# Altium PCB DCDCv1.1.PcbDoc (part 2 of 5)
Units mm, origin at the board's own origin, x right, y up, seen from the top; angles counter-clockwise.
Board outline 127.68 x 67.28 mm, 4 copper layers (Top Layer, GND1, GND2, Bottom Layer), stack 0.604 mm thick; 389 components, 257 nets, 1185 pads, 626 vias.
Unrouted connection lines stored in the file: 1.
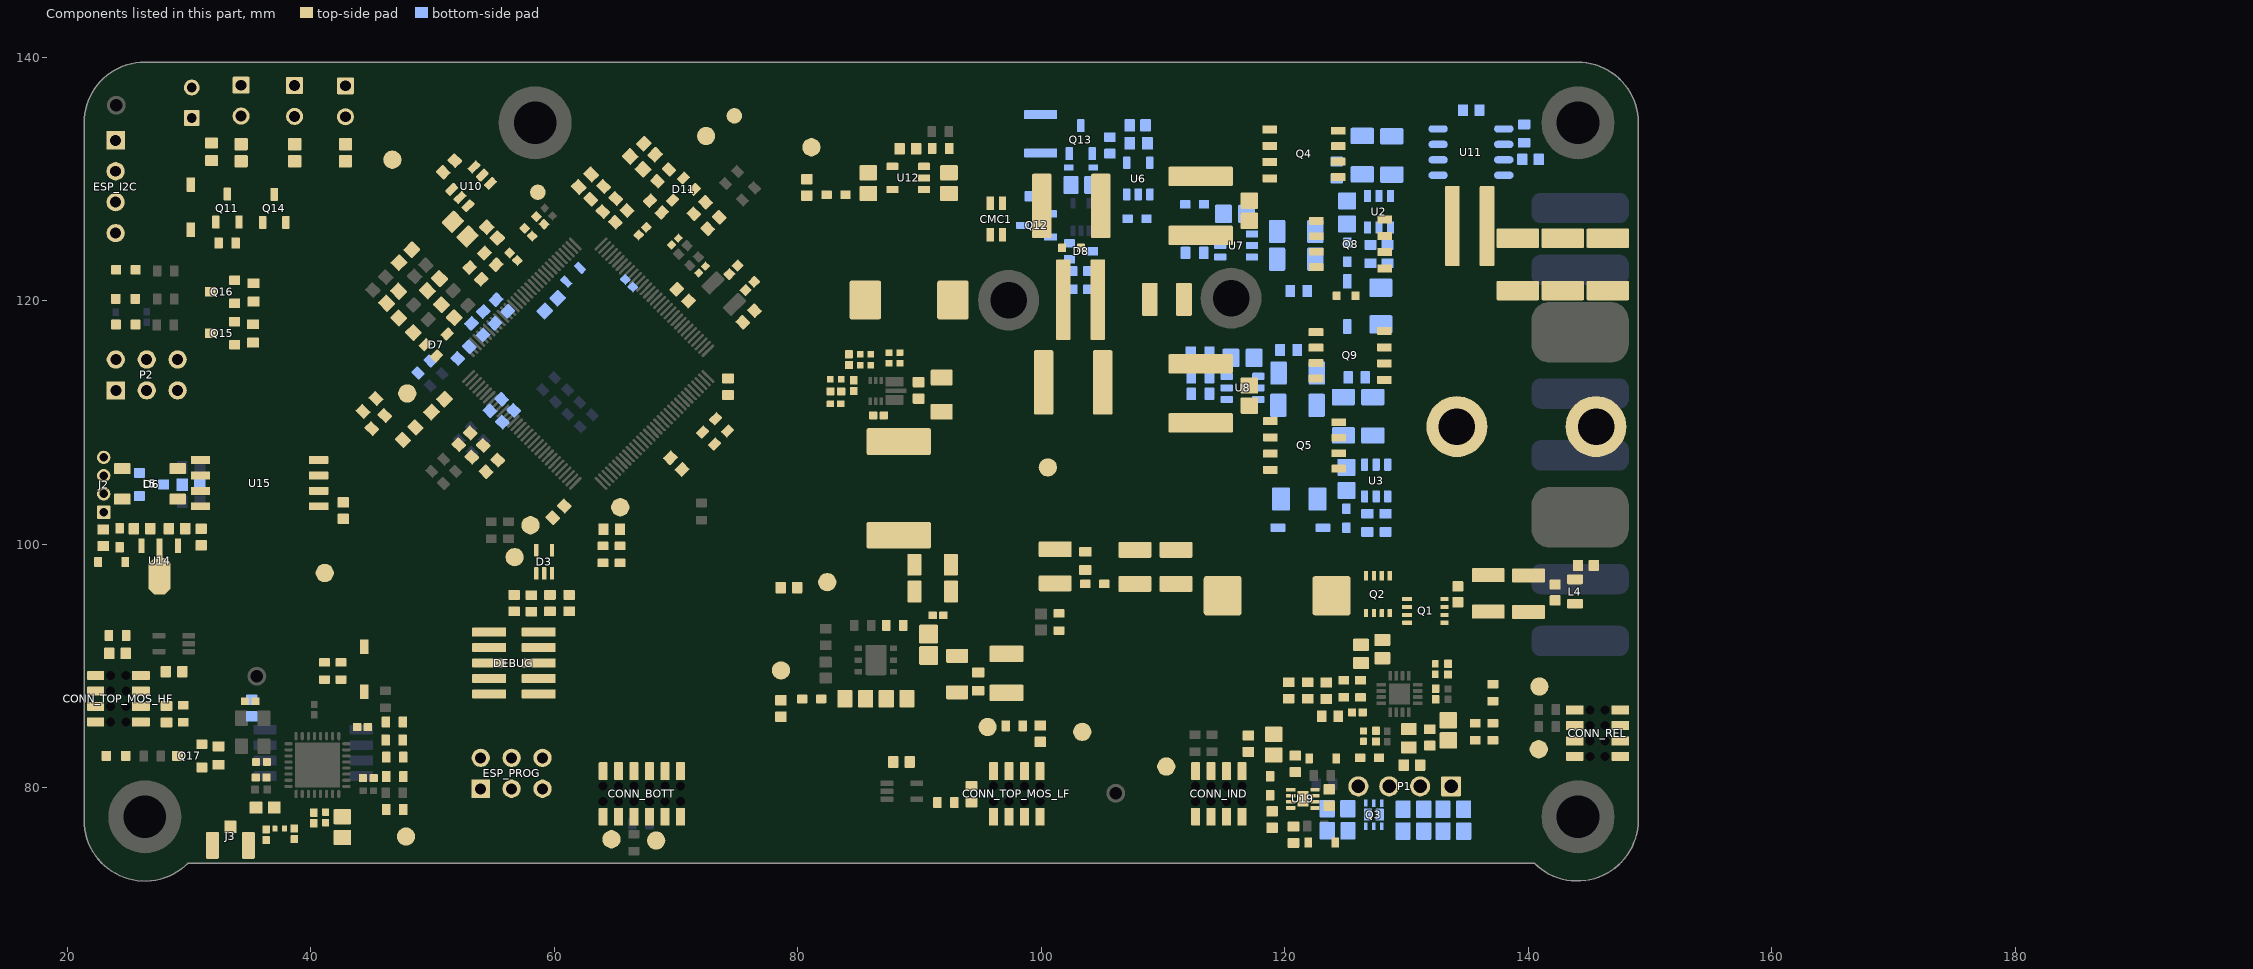
[diagram p4: the components of this part, seen from the top]

## Footprints (in the part's own frame and the unit in brackets; to place one, negate y for a bottom-side part, rotate by r counter-clockwise, add the part's x,y. Pads: shape width x height; smd on the part's side, far side on the other; paste and mask are expansions set on the pad) (continued)
RESC3216X70X40ML20T20 [mm] "Chip Resistor, 2-Leads, Body 3.20x1.60mm, IPC Low Density"
  rrect15% 1.35x1.9 smd: 1(-1.575,0) 2(1.575,0)
  silkscreen extent -0.5,-0.85 0.5,0.85, body extent -1.7,-0.9 1.7,0.9, height 0.7
RESC3264X06N [mm] "Chip Resistor, 2-Leads, Body 3.20x6.40mm, IPC Medium Density"
  rrect15% 1.2x6.6 smd: 1(-1.425,0) 2(1.425,0)
  silkscreen extent -0.5,-3.2 0.5,3.2, body extent -1.6,-3.2 1.6,3.2, height 0.6
SHDR4W50P0X150_1X4_750X350X450P [mm]
  rrect15% 1.1x1.1 hole 0.7: 1(0,0)
  round 1.1 hole 0.7: 2(1.5,0) 3(3,0) 4(4.5,0)
  silkscreen extent -1.5,-1.3 6,2.2, body extent -1.5,-1.75 6,1.75, height 4.5
SMD-0603 [mm] "Chip Inductor, 2-Leads, Body 1.6x0.8mm"
  rrect15% 0.85x0.7 smd: 1(-0.775,0) 2(0.775,0)
  body extent -0.8,-0.4 0.8,0.4, height 0.79
SMTC-FTSH-105-01-L-DV-K_V [mm] "CONN, 10-Leads, Body 6.35x3.43mm, Pitch 1.27mm"
  rrect15% 0.74x2.79 smd: 1(-2.54,-2.035) 2(-2.54,2.035) 3(-1.27,-2.035) 4(-1.27,2.035) 5(0,-2.035) 6(0,2.035) 7(1.27,-2.035) 8(1.27,2.035) 9(2.54,-2.035) 10(2.54,2.035)
  silkscreen extent -3.17,-4.1 3.17,0.34, body extent -3.17,-2.92 3.18,2.92, height 6.12
SOIC127P600X175-8AN [mm] "SOIC, 8-Leads, Body 4.9x3.9mm, Pitch 1.27mm, IPC Medium Density"
  round 1 on Mech15: 0(0,0)
  oval 1.6x0.6 smd: 1(-2.7,1.905) 2(-2.7,0.635) 3(-2.7,-0.635) 4(-2.7,-1.905) 5(2.7,-1.905) 6(2.7,-0.635) 7(2.7,0.635) 8(2.7,1.905)
  silkscreen extent -2.82,-2.5 1.6,2.82, body extent -3,-2.45 3,2.45, height 1.75
SOIC127P1031X265-8N [mm]
  rrect15% 1.6x0.65 smd: 1(-4.85,1.905) 2(-4.85,0.635) 3(-4.85,-0.635) 4(-4.85,-1.905) 5(4.85,-1.905) 6(4.85,-0.635) 7(4.85,0.635) 8(4.85,1.905)
  silkscreen extent -3.7,-2.93 3.7,2.93, body extent -5.16,-2.93 5.16,2.93, height 2.65
SON50P200X200X100-9N [mm]
  rrect15% 0.75x0.3 smd: 1(-1,0.75) 2(-1,0.25) 3(-1,-0.25) 4(-1,-0.75) 5(1,-0.75) 6(1,-0.25) 7(1,0.25) 8(1,0.75)
  rect 0.9x1.3 smd: 9(0,0)
  silkscreen extent -1.5,1.28 -1.25,1.52, body extent -1.05,-1 1.05,1, height 1
SOT23-5 [mm]
  round 0.5 on Mech15: 0(0,0)
  rrect25% 1x0.6 smd: 1(-1.3,0.95) 2(-1.3,0) 3(-1.3,-0.95) 4(1.3,-0.95) 5(1.3,0.95)
  silkscreen extent -0.51,-1.35 0.51,1.35, body extent -1.4,-1.45 1.4,1.45, height 1.44
SOT23-6 [mm]
  round 0.5 on Mech15: 0(0,0)
  rrect25% 1x0.6 smd: 1(-1.3,0.95) 2(-1.3,0) 3(-1.3,-0.95) 4(1.3,-0.95) 5(1.3,0) 6(1.3,0.95)
  silkscreen extent -0.51,-1.35 0.51,1.35, body extent -1.4,-1.45 1.4,1.45, height 1.44
SOT-89_L [mm] "SOT89, 3-Leads, Body 4.5x2.4 mm, Pitch 1.5mm, Lead Span 4.1mm, IPC High Density"
  rrect15% 1.2x0.5 smd: 1(-1.7,1.5) 3(-1.7,-1.5)
  rrect15% 1.6x0.5 smd: 2(-1.5,0)
  oct 3x1.8 smd: 2(0.8,0)
  silkscreen extent -1.97,-2.3 1.4,2.43, body extent -1.2,-2.3 1.4,2.3, height 1.6
TECO-5-146280-2_V [mm] "Connector, 2-Leads, Body 4.67x2.34mm, Pitch 2.54mm"
  rrect15% 1.4x1.4 hole 0.89: 1(-1.27,0)
  round 1.4 hole 0.89: 2(1.27,0)
  silkscreen extent -2.33,-1.17 2.33,1.94, body extent -2.34,-1.17 2.34,1.17, height 5.33
TP1.5mm [mm] "Tent Point 1.5mm round"
  round 1.5 smd: 1(0,0)
  silkscreen extent -1.02,-1.02 1.02,1.02
TP-R60 [mm]
  round 1.27 smd paste-1.27: 1(0,0)
  silkscreen extent -0.86,-0.86 0.86,0.86, body extent -0.76,-0.76 0.76,0.76, height 0.25
VISH-IHLP4040DZER101M11_V [mm] "Molded Inductor, 2-Leads, Body 10.30x10.30mm"
  rrect15% 3.124x3.251 smd: 1(-4.47,0) 2(4.471,0)
  silkscreen extent -5.15,-5.15 5.15,5.15, body extent -5.37,-5.15 5.37,5.15, height 4

## Part data
3V3D DC/AC Wi-Fi: library part CMP-1426-00002-1, "SMD mono-color Chip LED, WL-SMCW, Green", Color=Green, Manufacturer="Wuerth Elektronik", ComponentLink1Description="Manufacturer URL", ComponentLink1URL=http://www.we-online.com, ComponentLink2Description=Datasheet, ComponentLink2URL=http://katalog.we-online.com/led/datasheet/150060GS75000.pdf, PackageReference=0603_A, PartNumber=150060GS75000
C1: library part CAP, "X7R 100nF ±10% 100V 0805 Multilayer Ceramic Capacitors MLCC - SMD/SMT ROHS", Capacitance=100nF, Case Code (Imperial)=0805, Case Code (Metric)=2012, Dielectric=X7R, JLCPCB Part #=C28233, Manufacturer="AVX Interconnect / Elco", Manufacturer Part Number=CL21B104KCFNNNE, Max Operating Temperature=125°C, Min Operating Temperature=-55°C, Package Quantity=1, Part Number=08051C104JAT2A, Supplier Part Number 1=1356664, Tolerance=5%, Voltage=100V, Case/Package=0805, Category="Ceramic Capacitors", ComponentLink1Description=https://datasheet.ciiva.com/152/cx7r-152288.pdf?src-supplier=Digi-Key, ComponentLink1URL=https://datasheet.ciiva.com/152/cx7r-152288.pdf?src-supplier=Digi-Key, ComponentLink2Description=https://datasheet.ciiva.com/152/cx7r-152289.pdf?src-supplier=Digi-Key, ComponentLink2URL=https://datasheet.ciiva.com/152/cx7r-152289.pdf?src-supplier=Digi-Key, ComponentLink3Description=https://datasheet.ciiva.com/11504/cx7r-11504232.pdf?src-supplier=Avnet, ComponentLink3URL=https://datasheet.ciiva.com/11504/cx7r-11504232.pdf?src-supplier=Avnet, ComponentLink4Description=https://datasheet.ciiva.com/16326/cx7r-16326744.pdf?src-supplier=Future+Electronics, ComponentLink4URL=https://datasheet.ciiva.com/16326/cx7r-16326744.pdf?src-supplier=Future+Electronics, ComponentLink5Description=https://datasheet.ciiva.com/22676/1679506-22676600.pdf?src-supplier=Element14, ComponentLink5URL=https://datasheet.ciiva.com/22676/1679506-22676600.pdf?src-supplier=Element14, ComponentLink6Description=https://datasheet.ciiva.com/5427/cx7r-218113-5427354.pdf?src-supplier=Mouser, ComponentLink6URL=https://datasheet.ciiva.com/5427/cx7r-218113-5427354.pdf?src-supplier=Mouser, ComponentLink7Description=https://datasheet.ciiva.com/16625/cx7r-16625228.pdf?src-supplier=Avnet+Europe, ComponentLink7URL=https://datasheet.ciiva.com/16625/cx7r-16625228.pdf?src-supplier=Avnet+Europe, ComponentLink8Description=https://datasheet.ciiva.com/152/cx7r-152287.pdf?src-supplier=Digi-Key, ComponentLink8URL=https://datasheet.ciiva.com/152/cx7r-152287.pdf?src-supplier=Digi-Key, ComponentLink9Description=https://datasheet.ciiva.com/28613/1679506-28613087.pdf?src-supplier=Element14, ComponentLink9URL=https://datasheet.ciiva.com/28613/1679506-28613087.pdf?src-supplier=Element14, Construction=Flat, Depth=1.25mm, Dissipation Factor=2.5%, Height=1.4mm, Lead Free="Lead Free", Length=2.01mm, Mount="Surface Mount", Number of Pins=2, Packaging="Tape and Reel", Pricing 1="100=0.13700, 500=0.12500, 1000=0.11100 (USD)", Radiation Hardening=No, REACH SVHC="No SVHC", RoHS=Yes, RoHS Compliant=Yes, Series=-, Stock 1=1, Supplier 1=RSComponents, Termination=SMD/SMT, Thickness=0.055inch, Voltage Rating=100V, Voltage Rating (DC)=100V, Width=0.049inch
C2 C9: library part CMP-1036-04427-2, "X7R 100nF ±10% 100V 0805 Multilayer Ceramic Capacitors MLCC - SMD/SMT ROHS", Capacitance=100nF, Case Code (Imperial)=0805, Case Code (Metric)=2012, Dielectric=X7R, JLCPCB Part #=C28233, Manufacturer="AVX Interconnect / Elco", Manufacturer Part Number=CL21B104KCFNNNE, Max Operating Temperature=125°C, Min Operating Temperature=-55°C, Package Quantity=1, Part Number=08051C104JAT2A, Supplier Part Number 1=1356664, Tolerance=5%, Voltage=100V, Case/Package=0805, Category="Ceramic Capacitors", ComponentLink1Description=https://datasheet.ciiva.com/152/cx7r-152288.pdf?src-supplier=Digi-Key, ComponentLink1URL=https://datasheet.ciiva.com/152/cx7r-152288.pdf?src-supplier=Digi-Key, ComponentLink2Description=https://datasheet.ciiva.com/152/cx7r-152289.pdf?src-supplier=Digi-Key, ComponentLink2URL=https://datasheet.ciiva.com/152/cx7r-152289.pdf?src-supplier=Digi-Key, ComponentLink3Description=https://datasheet.ciiva.com/11504/cx7r-11504232.pdf?src-supplier=Avnet, ComponentLink3URL=https://datasheet.ciiva.com/11504/cx7r-11504232.pdf?src-supplier=Avnet, ComponentLink4Description=https://datasheet.ciiva.com/16326/cx7r-16326744.pdf?src-supplier=Future+Electronics, ComponentLink4URL=https://datasheet.ciiva.com/16326/cx7r-16326744.pdf?src-supplier=Future+Electronics, ComponentLink5Description=https://datasheet.ciiva.com/22676/1679506-22676600.pdf?src-supplier=Element14, ComponentLink5URL=https://datasheet.ciiva.com/22676/1679506-22676600.pdf?src-supplier=Element14, ComponentLink6Description=https://datasheet.ciiva.com/5427/cx7r-218113-5427354.pdf?src-supplier=Mouser, ComponentLink6URL=https://datasheet.ciiva.com/5427/cx7r-218113-5427354.pdf?src-supplier=Mouser, ComponentLink7Description=https://datasheet.ciiva.com/16625/cx7r-16625228.pdf?src-supplier=Avnet+Europe, ComponentLink7URL=https://datasheet.ciiva.com/16625/cx7r-16625228.pdf?src-supplier=Avnet+Europe, ComponentLink8Description=https://datasheet.ciiva.com/152/cx7r-152287.pdf?src-supplier=Digi-Key, ComponentLink8URL=https://datasheet.ciiva.com/152/cx7r-152287.pdf?src-supplier=Digi-Key, ComponentLink9Description=https://datasheet.ciiva.com/28613/1679506-28613087.pdf?src-supplier=Element14, ComponentLink9URL=https://datasheet.ciiva.com/28613/1679506-28613087.pdf?src-supplier=Element14, Construction=Flat, Depth=1.25mm, Dissipation Factor=2.5%, Height=1.4mm, Lead Free="Lead Free", Length=2.01mm, Mount="Surface Mount", Number of Pins=2, Packaging="Tape and Reel", Pricing 1="100=0.13700, 500=0.12500, 1000=0.11100 (USD)", Radiation Hardening=No, REACH SVHC="No SVHC", RoHS=Yes, RoHS Compliant=Yes, Series=-, Stock 1=1, Supplier 1=RSComponents, Termination=SMD/SMT, Thickness=0.055inch, Voltage Rating=100V, Voltage Rating (DC)=100V, Width=0.049inch
C3 C117 C121 C122 C123: library part CMP-2008-02743-1, "X7R 100nF ±10% 16V 0402 Multilayer Ceramic Capacitors MLCC - SMD/SMT ROHS", Case Code (Imperial)=0402, Case Code (Metric)=1005, Dielectric=X5R, Dielectric Material=Ceramic, JLCPCB Part #=C1525, Manufacturer="AVX Interconnect / Elco", Manufacturer Part Number=04026D104KAT2A, Max Operating Temperature=85°C, Min Operating Temperature=-55°C, Package Quantity=1, Supplier Part Number 1=34M9214, Tolerance=10%, Voltage=6.3V, Capacitance=100nF, Case/Package=0402, Category="Ceramic Capacitors", Construction=Flat, Contact Plating=Tin,Matte, Depth=0.5mm, Height=0.56mm, Lead Free="Lead Free", Length=1mm, Mount="Surface Mount", Packaging="Tape and Reel", Part Number=04026D104KAT2A, Pricing 1="10=0.02800, 25=0.02300, 50=0.01800, 100=0.01200, 250=0.01100, 500=0.00900, 1000=0.00700 (USD)", Radiation Hardening=No, REACH SVHC="No SVHC", RoHS=Yes, RoHS Compliant=Yes, Series=-, Stock 1=1436, Supplier 1=Newark, Termination=SMD/SMT, Thickness=0.022inch, Voltage Rating=6.3V, Voltage Rating (DC)=6.3V, Width=0.02inch
C4 C6 C7: library part CMP-1040-01559-1, "CAP 470nF 250V ±10% 1812 (4532 Metric) Thickness 1.9mm SMD", Case-EIA=1812, Case-Metric=4532, Rated Voltage="250 V", Tolerance=Â±10%, Max Thickness="1.9 mm", Technology=SMT
C5: library part CMP-2000-05478-1, "Ceramic Capacitor, 100 V, 4.7 uF, +/-10%, -55 to 85 degC, 2-Pin SMD (1210), RoHS, Tape and Reel", Capacitance=22uF, Case Code - in=1210, Case Code - mm=3225, Case Height=2.79mm, Case Length=3.2mm, Case Width=2.5mm, Dielectric=X5R, Manufacturer=AVX, Maximum Operating Temperature=+85C, Minimum Operating Temperature=-55C, Operating Temperature Range=-55Cto+85C, Package / Case=1210(3225metric), Package Description="2-Pin Surface Mount Device, Body 3.2 x 2.5 mm", Temperature Coefficient / Code=+/-15%, Tolerance=10%, Voltage Rating=25V, Brand=AVX, Datasheet URL=http://datasheets.avx.com/cx5r.pdf, Datasheet Version=05/2016, Dimensions=2.5mmWx3.2mmLx2.79mmH, Factory Pack Quantity=1000, Manufacturer URL=http://www.avx.com/, Mounting Technology=SurfaceMount, Package Reference=1210, Packaging=Reel, Product=GeneralTypeMLCCs, Product Category=MultilayerCeramicCapacitorsMLCC-SMD/SMT, RoHS=Details, Termination Style=SMD/SMT, Type=StandardX5RMLCCs, Voltage Rating DC=25V
C8 C15 C97: library part CMP-1037-04985-1, "X5R 47uF ±20% 10V 1206 Multilayer Ceramic Capacitors MLCC - SMD/SMT ROHS", Case Code (Imperial)=1206, Case Code (Metric)=3216, Dielectric=X7R, JLCPCB Part #=C96123, Manufacturer="Kyocera AVX", Manufacturer Part Number=12066C226KAT2A, Max Operating Temperature=125°C, Min Operating Temperature=-55°C, Package Quantity=2500, Rated Voltage="6.3 V", Supplier Part Number 1=478-5997-1-ND, Tolerance=Â±10%, Voltage=6.3V, Voltage Rating=10V, Capacitance=47uF, Case-EIA=1206, Case-Metric=3216, Case/Package=1206, Category="Ceramic Capacitors", ComponentLink1Description=https://datasheet.ciiva.com/11786/0900766b80dc2409-11786266.pdf?src-supplier=RSComponents, ComponentLink1URL=https://datasheet.ciiva.com/11786/0900766b80dc2409-11786266.pdf?src-supplier=RSComponents, ComponentLink2Description=https://datasheet.ciiva.com/16315/cx7r-16315655.pdf?src-supplier=Future+Electronics, ComponentLink2URL=https://datasheet.ciiva.com/16315/cx7r-16315655.pdf?src-supplier=Future+Electronics, ComponentLink3Description=https://datasheet.ciiva.com/154/cx7r-154924.pdf?src-supplier=Digi-Key, ComponentLink3URL=https://datasheet.ciiva.com/154/cx7r-154924.pdf?src-supplier=Digi-Key, ComponentLink4Description=https://datasheet.ciiva.com/154/cx7r-154925.pdf?src-supplier=Digi-Key, ComponentLink4URL=https://datasheet.ciiva.com/154/cx7r-154925.pdf?src-supplier=Digi-Key, ComponentLink5Description=https://datasheet.ciiva.com/154/cx7r-154926.pdf?src-supplier=Digi-Key, ComponentLink5URL=https://datasheet.ciiva.com/154/cx7r-154926.pdf?src-supplier=Digi-Key, Contact Plating=Tin,Matte, Depth=1.6mm, Dissipation Factor=5%, Height=1.78mm, Lead Free="Lead Free", Length=3.2mm, Max Thickness="1.9 mm", Mount="Surface Mount", Number of Pins=2, Packaging="Tape and Reel", Pricing 1="1=0.81000, 10=0.57100, 100=0.37570, 500=0.27830, 1000=0.23656 (USD)", Radiation Hardening=No, REACH SVHC="No SVHC", RoHS=Yes, Stock 1=4915, Supplier 1=Digi-Key, Technology=SMT, Termination=SMD/SMT, Thickness=0.07inch, Voltage Rating (DC)=6.3V, Width=1.6mm
C10 C10a C11 C25: library part CMP-2000-07534-1, "Chip Capacitor, 10 uF, +/- 20%, 100 V, -55 to 125 degC, 2220 (5750 Metric), RoHS, Tape and Reel", Capacitance=10uF, Case Code (Imperial)=2220, Case Code (Metric)=5750, Dielectric=X7R, Manufacturer=AVX, Manufacturer Part Number=22201C106MAT2A, Max Operating Temperature=125°C, Min Operating Temperature=-55°C, Package Description="2-Pin Surface Mount Device, Body 5 x 5.7 mm", Supplier Part Number 1=478-9622-1-ND, Tolerance=20%, Voltage Rating=100V, Case/Package=2220, ComponentLink1Description=http://catalogs.avx.com/SurfaceMount.pdf?src-supplier=Digi-Key, ComponentLink1URL=http://catalogs.avx.com/SurfaceMount.pdf?src-supplier=Digi-Key, Datasheet URL=http://datasheets.avx.com/X7RDielectric.pdf, Datasheet Version=03/2017, Length=0.224inch, Manufacturer URL=http://www.avx.com/, Mount="Surface Mount", Mounting Technology=SurfaceMount, Package Reference=2220, Packaging="Tape and Reel", Pricing 1="1=2,26000, 10=1,82600, 100=1,39470 (USD)", RoHS=Yes, Stock 1=129916, Supplier 1=Digi-Key, Thickness=0.11inch, Voltage Rating (DC)=100V, Width=0.197inch
C12 C13 C27 C44 C46 C50 C64 C71 C72 C85 C86 C88 C92 C96: library part CMP-2007-03395-1, "X5R 25V ±10% 10uF 0805 Multilayer Ceramic Capacitors MLCC - SMD/SMT ROHS", JLCPCB Part #=C15850, Manufacturer=Murata, Part Number=GRM21BR71A106KE51L
C14: library part CMP-2008-02907-1, "X7R 2.2nF ±10% 50V 0402 Multilayer Ceramic Capacitors MLCC - SMD/SMT ROHS", Case Code (Imperial)=0402, Case Code (Metric)=1005, Dielectric=X7R, Dielectric Material=Ceramic, Insulation Resistance=100GR, JLCPCB Part #=C1531, Manufacturer="AVX Interconnect / Elco", Manufacturer Part Number=04025C222JAT2A, Max Operating Temperature=125°C, Min Operating Temperature=-55°C, Package Quantity=1, Supplier Part Number 1=478-5131-1-ND, Tolerance=5%, Voltage=50V, Capacitance=2.2nF, Case/Package=0402, Category="Ceramic Capacitors", ComponentLink1Description=https://datasheet.ciiva.com/1123/1679506-1123714.pdf?src-supplier=Element14, ComponentLink1URL=https://datasheet.ciiva.com/1123/1679506-1123714.pdf?src-supplier=Element14, ComponentLink2Description=https://datasheet.ciiva.com/152/cx7r-152323.pdf?src-supplier=Digi-Key, ComponentLink2URL=https://datasheet.ciiva.com/152/cx7r-152323.pdf?src-supplier=Digi-Key, ComponentLink3Description=https://datasheet.ciiva.com/1123/1679506-1123715.pdf?src-supplier=Element14, ComponentLink3URL=https://datasheet.ciiva.com/1123/1679506-1123715.pdf?src-supplier=Element14, ComponentLink4Description=https://datasheet.ciiva.com/152/cx7r-152324.pdf?src-supplier=Digi-Key, ComponentLink4URL=https://datasheet.ciiva.com/152/cx7r-152324.pdf?src-supplier=Digi-Key, ComponentLink5Description=https://datasheet.ciiva.com/152/cx7r-152325.pdf?src-supplier=Digi-Key, ComponentLink5URL=https://datasheet.ciiva.com/152/cx7r-152325.pdf?src-supplier=Digi-Key, ComponentLink6Description=https://datasheet.ciiva.com/7709/1679506-7709551.pdf?src-supplier=Element14, ComponentLink6URL=https://datasheet.ciiva.com/7709/1679506-7709551.pdf?src-supplier=Element14, Contact Plating=Tin,Matte, Depth=0.5mm, Dissipation Factor=10%, Height=0.56mm, Lead Free="Lead Free", Length=1mm, Mount="Surface Mount,PCB", Packaging="Tape and Reel", Part Number=04025C222JAT2A, Pricing 1="1=0.38000, 10=0.26200, 50=0.17480, 100=0.14860, 500=0.10488, 1000=0.09177, 2500=0.08740, 5000=0.08084 (USD)", Radiation Hardening=No, REACH SVHC="No SVHC", RoHS=Yes, RoHS Compliant=Yes, Stock 1=9857, Supplier 1=Digi-Key, Termination=SMD/SMT, Thickness=0.022inch, Voltage Rating=50V, Voltage Rating (DC)=50V, Width=0.02inch
C16: library part CMP-1034-00812-2, "C0G ±5% 15pF 50V 0402 Multilayer Ceramic Capacitors MLCC - SMD/SMT ROHS", Case Code (Imperial)=0402, Case Code (Metric)=1005, Dielectric=C0G, Dielectric Material=Ceramic, JLCPCB Part #=C1548, Manufacturer="AVX Interconnect / Elco", Manufacturer Part Number=04025A150FAT2A, Max Operating Temperature=125°C, Min Operating Temperature=-55°C, Package Quantity=1, Supplier Part Number 1=478-5126-1-ND, Tolerance=1%, Voltage=50V, Capacitance=15pF, Case/Package=0402, Category="Ceramic Capacitors", ComponentLink1Description=https://datasheet.ciiva.com/26927/getdatasheetpartid-379176-26927300.pdf?src-supplier=Verical, ComponentLink1URL=https://datasheet.ciiva.com/26927/getdatasheetpartid-379176-26927300.pdf?src-supplier=Verical, ComponentLink2Description=https://datasheet.ciiva.com/157/ccog-157986.pdf?src-supplier=Digi-Key, ComponentLink2URL=https://datasheet.ciiva.com/157/ccog-157986.pdf?src-supplier=Digi-Key, ComponentLink3Description=https://datasheet.ciiva.com/157/ccog-157987.pdf?src-supplier=Digi-Key, ComponentLink3URL=https://datasheet.ciiva.com/157/ccog-157987.pdf?src-supplier=Digi-Key, ComponentLink4Description=https://datasheet.ciiva.com/157/ccog-157988.pdf?src-supplier=Digi-Key, ComponentLink4URL=https://datasheet.ciiva.com/157/ccog-157988.pdf?src-supplier=Digi-Key, ComponentLink5Description=https://datasheet.ciiva.com/14603/70001039-14603477.pdf?src-supplier=Allied+Electronics, ComponentLink5URL=https://datasheet.ciiva.com/14603/70001039-14603477.pdf?src-supplier=Allied+Electronics, ComponentLink6Description=https://datasheet.ciiva.com/28453/1796416-28453769.pdf?src-supplier=Element14, ComponentLink6URL=https://datasheet.ciiva.com/28453/1796416-28453769.pdf?src-supplier=Element14, ComponentLink7Description=https://datasheet.ciiva.com/22619/1796416-22619722.pdf?src-supplier=Element14, ComponentLink7URL=https://datasheet.ciiva.com/22619/1796416-22619722.pdf?src-supplier=Element14, ComponentLink8Description=https://datasheet.ciiva.com/11568/ccog-11568587.pdf?src-supplier=Avnet, ComponentLink8URL=https://datasheet.ciiva.com/11568/ccog-11568587.pdf?src-supplier=Avnet, Construction=Flat, Depth=0.5mm, Height=0.56mm, Lead Free="Lead Free", Length=1mm, Mount="Surface Mount,PCB", Number of Pins=2, Packaging="Tape and Reel", Part Number=04025A150FAT2A, Pricing 1="1=0.57000, 10=0.40100, 50=0.30300, 100=0.26390, 500=0.19550, 1000=0.16618, 2500=0.15640, 5000=0.14662 (USD)", Radiation Hardening=No, REACH SVHC="No SVHC", RoHS=Yes, RoHS Compliant=Yes, Series=-, Stock 1=101927, Supplier 1=Digi-Key, Termination=SMD/SMT, Thickness=0.022inch, Voltage Rating=50V, Voltage Rating (DC)=50V, Width=0.02inch
C17: library part CMP-2008-02925-1, "X7R ±10% 50V 22nF 0402 Multilayer Ceramic Capacitors MLCC - SMD/SMT ROHS", Capacitance=10nF, Case Code (Imperial)=0402, Case Code (Metric)=1005, Dielectric=X7R, JLCPCB Part #=C1532, Manufacturer="AVX Interconnect / Elco", Manufacturer Part Number=04023C103JAT2A, Max Operating Temperature=125°C, Min Operating Temperature=-55°C, Package Quantity=1, Supplier Part Number 1=478-7867-1-ND, Tolerance=5%, Voltage Rating=25V, Case/Package=0402, Category="Ceramic Capacitors", ComponentLink1Description=https://datasheet.ciiva.com/11499/cx7r-11499815.pdf?src-supplier=Avnet, ComponentLink1URL=https://datasheet.ciiva.com/11499/cx7r-11499815.pdf?src-supplier=Avnet, ComponentLink2Description=https://datasheet.ciiva.com/5424/cx7r-218113-5424201.pdf?src-supplier=Mouser, ComponentLink2URL=https://datasheet.ciiva.com/5424/cx7r-218113-5424201.pdf?src-supplier=Mouser, ComponentLink3Description=https://datasheet.ciiva.com/7614/cx7r-7614730.pdf?src-supplier=Digi-Key, ComponentLink3URL=https://datasheet.ciiva.com/7614/cx7r-7614730.pdf?src-supplier=Digi-Key, ComponentLink4Description=https://datasheet.ciiva.com/208/cx7r-208205.pdf?src-supplier=Digi-Key, ComponentLink4URL=https://datasheet.ciiva.com/208/cx7r-208205.pdf?src-supplier=Digi-Key, ComponentLink5Description=https://datasheet.ciiva.com/14906/cx7r-14906237.pdf?src-supplier=Digi-Key, ComponentLink5URL=https://datasheet.ciiva.com/14906/cx7r-14906237.pdf?src-supplier=Digi-Key, ComponentLink6Description=https://datasheet.ciiva.com/16397/cx7r-16397645.pdf?src-supplier=Future+Electronics, ComponentLink6URL=https://datasheet.ciiva.com/16397/cx7r-16397645.pdf?src-supplier=Future+Electronics, ComponentLink7Description=https://datasheet.ciiva.com/14906/cx7r-14906238.pdf?src-supplier=Digi-Key, ComponentLink7URL=https://datasheet.ciiva.com/14906/cx7r-14906238.pdf?src-supplier=Digi-Key, Construction=Flat, Depth=0.5mm, Lead Free="Lead Free", Length=1mm, Mount="Surface Mount", Number of Pins=2, Packaging="Tape and Reel", Part Number=04023C103JAT2A, Pricing 1="1=0.35000, 10=0.24300, 50=0.16980, 100=0.14560, 500=0.10920, 1000=0.09221, 2500=0.08735, 5000=0.08250 (USD)", Radiation Hardening=No, RoHS=Yes, RoHS Compliant=Yes, Series=-, Stock 1=9321, Supplier 1=Digi-Key, Termination=SMD/SMT, Thickness=0.022inch, Voltage Rating (DC)=25V, Width=0.5mm
C18: library part CMP-1038-02291-1, "CAP 47uF 6.3V ±20% 1210 (3225 Metric) Thickness 2.8mm SMD", Case-EIA=1210, Case-Metric=3225, Rated Voltage="6.3 V", Tolerance=Â±20%, Max Thickness="2.8 mm", Technology=SMT
C19 C20: library part CMP-2000-04991-1, "X7R ±10% 50V 4.7uF 1206 Multilayer Ceramic Capacitors MLCC - SMD/SMT ROHS", Capacitance=4.7uF, Capacitance - nF=1000nF, Case Code - in=1206, Case Code - mm=3216, Case Height=1.6mm, Case Length=3.2mm, Dielectric=X7R, JLCPCB Part #=C29823, Manufacturer=Kemet, Maximum Operating Temperature=+125C, Minimum Operating Temperature=-55C, Operating Temperature Range=-55Cto+125C, Package / Case=1206(3216metric), Package Description="2-Pin Surface Mount Device, Body 3.2 x 1.6 mm", Temperature Coefficient / Code=+/-15%, Tolerance=10%, Voltage Rating=25V, Brand=Kemet, Case Width=1.6mm, Class=Class1, Datasheet URL=https://ciiva.com/datasheet-click-18194173?src=ciiva&sig=6daff8c4, Datasheet Version=Jul-14, Dimensions=1.6mmWx3.2mmLx1.6mmH, Factory Pack Quantity=2000, Manufacturer URL=http://www.kemet.com/, Package Reference=1206, Packaging=Reel, Product=GeneralTypeMLCCs, Product Category=MultilayerCeramicCapacitorsMLCC-SMD/SMT, RoHS=Details, Series=C1206C, Termination Style=SMD/SMT, Type=SMDMLCCX7R6.3-250VDCCommericalGrade, Voltage Rating DC=25V
C21 C22 C23 C24: library part CMP-2100-03644-1, "X7R ±10% 50V 330nF 0805 Multilayer Ceramic Capacitors MLCC - SMD/SMT ROHS", Capacitance=100nF, Case Code (Imperial)=0805, Case Code (Metric)=2012, Dielectric=X7R, Dielectric Material=Ceramic, Insulation Resistance=10GR, JLCPCB Part #=C1740, Manufacturer=Murata, Manufacturer Part Number=GRM21BR71H104KA01L, Max Operating Temperature=125degC, Min Operating Temperature=-55degC, Package Description="2-Pin Surface Mount Device, Body 2 x 1.25 mm", Package Quantity=1, Supplier Part Number 1=2408531, Tolerance=10%, Voltage=50V, Case/Package=0805, Category="Ceramic Capacitors", ComponentLink1Description=https://datasheet.ciiva.com/11786/0900766b8003061f-11786305.pdf?src-supplier=RSComponents, ComponentLink1URL=https://datasheet.ciiva.com/11786/0900766b8003061f-11786305.pdf?src-supplier=RSComponents, ComponentLink2Description=https://datasheet.ciiva.com/20173/71-2024-20173169.pdf?src-supplier=Rapid+Electronics, ComponentLink2URL=https://datasheet.ciiva.com/20173/71-2024-20173169.pdf?src-supplier=Rapid+Electronics, ComponentLink3Description=https://datasheet.ciiva.com/29200/453120-da-01-en-vs-kondensator-0805-29200537.pdf?src-supplier=Conrad, ComponentLink3URL=https://datasheet.ciiva.com/29200/453120-da-01-en-vs-kondensator-0805-29200537.pdf?src-supplier=Conrad, ComponentLink4Description=https://datasheet.ciiva.com/132/partnumbering-e-01-132209.pdf?src-supplier=Digi-Key, ComponentLink4URL=https://datasheet.ciiva.com/132/partnumbering-e-01-132209.pdf?src-supplier=Digi-Key, ComponentLink5Description=https://datasheet.ciiva.com/132/partnumbering-e-01-132210.pdf?src-supplier=Digi-Key, ComponentLink5URL=https://datasheet.ciiva.com/132/partnumbering-e-01-132210.pdf?src-supplier=Digi-Key, ComponentLink6Description=https://datasheet.ciiva.com/132/partnumbering-e-01-132211.pdf?src-supplier=Digi-Key, ComponentLink6URL=https://datasheet.ciiva.com/132/partnumbering-e-01-132211.pdf?src-supplier=Digi-Key, ComponentLink7Description=https://datasheet.ciiva.com/7937/1794405-7937708.pdf?src-supplier=Element14, ComponentLink7URL=https://datasheet.ciiva.com/7937/1794405-7937708.pdf?src-supplier=Element14, ComponentLink8Description=https://datasheet.ciiva.com/7937/1794405-7937709.pdf?src-supplier=Element14, ComponentLink8URL=https://datasheet.ciiva.com/7937/1794405-7937709.pdf?src-supplier=Element14, ComponentLink9Description=https://datasheet.ciiva.com/28534/1769893-28534317.pdf?src-supplier=Element14, ComponentLink9URL=https://datasheet.ciiva.com/28534/1769893-28534317.pdf?src-supplier=Element14, ComponentLink10Description=https://datasheet.ciiva.com/7937/4360-7937710.pdf?src-supplier=Element14, ComponentLink10URL=https://datasheet.ciiva.com/7937/4360-7937710.pdf?src-supplier=Element14, Datasheet URL=http://psearch.en.murata.com/capacitor/product/GRM21BR71H104KA01%23.pdf, Datasheet Version=42675.0, Depth=1.25mm, Height=1.25mm, Lead Free=LeadFree, Length=2mm, Manufacturer URL=http://www.murata.com/, Material=Ceramic, Mount=SurfaceMount, Number of Pins=2, Package Reference=0805, Packaging=TapeandReel, Radiation Hardening=No, REACH SVHC=Unknown, RoHS=Yes, RoHSCompliant=true, Stock 1=576000, Supplier 1=Farnell, Termination=SMD/SMT, Thickness=0.053inch, Voltage Rating=50V, Voltage Rating (DC)=50V, Width=0.049inch
C26 C41: library part CMP-2008-02800-1, "X7R 100nF ±10% 16V 0402 Multilayer Ceramic Capacitors MLCC - SMD/SMT ROHS", Case Code (Imperial)=0402, Case Code (Metric)=1005, Dielectric=X7R, Dielectric Material=Ceramic, JLCPCB Part #=C1525, Manufacturer="AVX Interconnect / Elco", Manufacturer Part Number=0402YC104KAT2A, Max Operating Temperature=125°C, Min Operating Temperature=-55°C, Package Quantity=1, Supplier Part Number 1=478-7888-1-ND, Tolerance=10%, Voltage=16V, Capacitance=100nF, Case/Package=0402, Category="Ceramic Capacitors", ComponentLink1Description=https://datasheet.ciiva.com/1123/1679506-1123956.pdf?src-supplier=Element14, ComponentLink1URL=https://datasheet.ciiva.com/1123/1679506-1123956.pdf?src-supplier=Element14, ComponentLink2Description=https://datasheet.ciiva.com/7614/cx7r-7614662.pdf?src-supplier=Digi-Key, ComponentLink2URL=https://datasheet.ciiva.com/7614/cx7r-7614662.pdf?src-supplier=Digi-Key, ComponentLink3Description=https://datasheet.ciiva.com/22693/1679506-22693578.pdf?src-supplier=Element14, ComponentLink3URL=https://datasheet.ciiva.com/22693/1679506-22693578.pdf?src-supplier=Element14, ComponentLink4Description=https://datasheet.ciiva.com/16623/cx7r-16623291.pdf?src-supplier=Avnet+Europe, ComponentLink4URL=https://datasheet.ciiva.com/16623/cx7r-16623291.pdf?src-supplier=Avnet+Europe, ComponentLink5Description=https://datasheet.ciiva.com/2987/cx7r-2987708.pdf?src-supplier=Avnet, ComponentLink5URL=https://datasheet.ciiva.com/2987/cx7r-2987708.pdf?src-supplier=Avnet, ComponentLink6Description=https://datasheet.ciiva.com/6265/cx7r-6265276.pdf?src-supplier=Digi-Key, ComponentLink6URL=https://datasheet.ciiva.com/6265/cx7r-6265276.pdf?src-supplier=Digi-Key, ComponentLink7Description=https://datasheet.ciiva.com/28613/1679506-28613260.pdf?src-supplier=Element14, ComponentLink7URL=https://datasheet.ciiva.com/28613/1679506-28613260.pdf?src-supplier=Element14, ComponentLink8Description=https://datasheet.ciiva.com/5411/cx7r-218113-5411197.pdf?src-supplier=Mouser, ComponentLink8URL=https://datasheet.ciiva.com/5411/cx7r-218113-5411197.pdf?src-supplier=Mouser, ComponentLink9Description=https://datasheet.ciiva.com/7709/1679506-7709566.pdf?src-supplier=Element14, ComponentLink9URL=https://datasheet.ciiva.com/7709/1679506-7709566.pdf?src-supplier=Element14, Construction=Flat, Contact Plating=Tin,Matte, Depth=0.5mm, Height=0.56mm, Lead Free="Lead Free", Length=1mm, Mount="Surface Mount,PCB", Packaging="Tape and Reel", Part Number=0402YC104KAT2A, Pricing 1="1=0.10000, 10=0.01600, 50=0.00860, 100=0.00700, 500=0.00500, 1000=0.00393, 2500=0.00358, 5000=0.00329 (USD)", Radiation Hardening=No, REACH SVHC=Unknown, RoHS=Yes, RoHS Compliant=Yes, Series=-, Stock 1=72315, Supplier 1=Digi-Key, Termination=SMD/SMT, Thickness=0.022inch, Voltage Rating=16V, Voltage Rating (DC)=16V, Width=0.02inch
C28 C68 C99 C100: library part CAP, "X7R 1nF ±10% 50V 0603 Multilayer Ceramic Capacitors MLCC - SMD/SMT ROHS", Capacitance=100pF, Case Code (Imperial)=0603, Case Code (Metric)=1608, Dielectric=C0G, Dielectric Material=Ceramic, Insulation Resistance=100GR, JLCPCB Part #=C1588, Manufacturer="AVX Interconnect / Elco", Manufacturer Part Number=06035A151JAT2A, Max Operating Temperature=125°C, Min Operating Temperature=-55°C, Package Quantity=1, Part Number=06035A151JAT2A., Supplier Part Number 1=478-1177-1-ND, Temperature coefficient=30ppm/°C, Tolerance=5%, Voltage=50V, Case/Package=0603, Category="Ceramic Capacitors", ComponentLink1Description=https://datasheet.ciiva.com/1124/84496-1124721.pdf?src-supplier=Element14, ComponentLink1URL=https://datasheet.ciiva.com/1124/84496-1124721.pdf?src-supplier=Element14, ComponentLink2Description=https://datasheet.ciiva.com/2987/ccog-2987781.pdf?src-supplier=Avnet, ComponentLink2URL=https://datasheet.ciiva.com/2987/ccog-2987781.pdf?src-supplier=Avnet, ComponentLink3Description=https://datasheet.ciiva.com/7855/759117-7855061.pdf?src-supplier=Element14, ComponentLink3URL=https://datasheet.ciiva.com/7855/759117-7855061.pdf?src-supplier=Element14, ComponentLink4Description=https://datasheet.ciiva.com/2987/ccog-2987782.pdf?src-supplier=Avnet, ComponentLink4URL=https://datasheet.ciiva.com/2987/ccog-2987782.pdf?src-supplier=Avnet, ComponentLink5Description=https://datasheet.ciiva.com/156/ccog-156216.pdf?src-supplier=Digi-Key, ComponentLink5URL=https://datasheet.ciiva.com/156/ccog-156216.pdf?src-supplier=Digi-Key, ComponentLink6Description=https://datasheet.ciiva.com/156/ccog-156217.pdf?src-supplier=Digi-Key, ComponentLink6URL=https://datasheet.ciiva.com/156/ccog-156217.pdf?src-supplier=Digi-Key, ComponentLink7Description=https://datasheet.ciiva.com/156/ccog-156218.pdf?src-supplier=Digi-Key, ComponentLink7URL=https://datasheet.ciiva.com/156/ccog-156218.pdf?src-supplier=Digi-Key, ComponentLink8Description=https://datasheet.ciiva.com/16300/ccog-16300429.pdf?src-supplier=Future+Electronics, ComponentLink8URL=https://datasheet.ciiva.com/16300/ccog-16300429.pdf?src-supplier=Future+Electronics, ComponentLink9Description=https://datasheet.ciiva.com/22699/84496-22699966.pdf?src-supplier=Element14, ComponentLink9URL=https://datasheet.ciiva.com/22699/84496-22699966.pdf?src-supplier=Element14, ComponentLink10Description=https://datasheet.ciiva.com/5418/ccog-5418335.pdf?src-supplier=Mouser, ComponentLink10URL=https://datasheet.ciiva.com/5418/ccog-5418335.pdf?src-supplier=Mouser, ComponentLink11Description=https://datasheet.ciiva.com/16538/ccog-16538111.pdf?src-supplier=Avnet+Asia, ComponentLink11URL=https://datasheet.ciiva.com/16538/ccog-16538111.pdf?src-supplier=Avnet+Asia, Contact Plating=Tin,Matte, Depth=0.81mm, Height=0.86mm, Lead Free="Lead Free", Length=1.6mm, Mount="Surface Mount,PCB", Number of Pins=2, Packaging="Tape and Reel", Pricing 1="1=0.12000, 10=0.08900, 100=0.04180, 500=0.02932, 1000=0.02428 (USD)", Radiation Hardening=No, REACH SVHC="No SVHC", RoHS=Yes, Stock 1=63714, Supplier 1=Digi-Key, Termination=SMD/SMT, Thickness=0.035inch, Voltage Rating=50V, Voltage Rating (DC)=50V, Width=0.032inch
C29: library part CMP-2000-07546-1, "X7R ±10% 4.7nF 50V 0603 Multilayer Ceramic Capacitors MLCC - SMD/SMT ROHS", Capacitance=100nF, Case Code (Imperial)=0603, Case Code (Metric)=1608, Dielectric=X7R, JLCPCB Part #=C53987, Manufacturer=TDK, Max Operating Temperature=125degC, Min Operating Temperature=-55degC, Package Description="2-Pin Surface Mount Device, Body 1.6 x 0.8 mm", Package Quantity=1, Package Reference=603, Tolerance=10%, Voltage=50V, Case/Package=0603, Composition=Ceramic, Datasheet URL=https://product.tdk.com/info/en/catalog/datasheets/mlcc_automotive_general_en.pdf, Datasheet Version=12/2014, Depth=0.8mm, Height=0.8mm, Lead Free=LeadFree, Length=1.6mm, Manufacturer URL=http://www.tdk.com/, Mount=SurfaceMount, Mounting Technology=SurfaceMount, Packaging=TapeandReel, Radiation Hardening=No, REACH SVHC=NoSVHC, RoHSCompliant=True, Termination=SMD/SMT, Thickness=0.035inch, Voltage Rating=50V, Voltage Rating (DC)=50V, Weight=7.1E-05oz, Width=0.8mm